# Altium PCB BeliefSat-0 2.0.PcbDoc (part 1 of 2)
Units mm, origin at the board's own origin, x right, y up, seen from the top; angles counter-clockwise.
Board outline 100 x 100 mm, 4 copper layers (Top Layer, GND, GND1, Bottom Layer), stack 1.64 mm thick; 59 components, 42 nets, 197 pads, 1337 vias.
Unrouted connection lines stored in the file: 39.
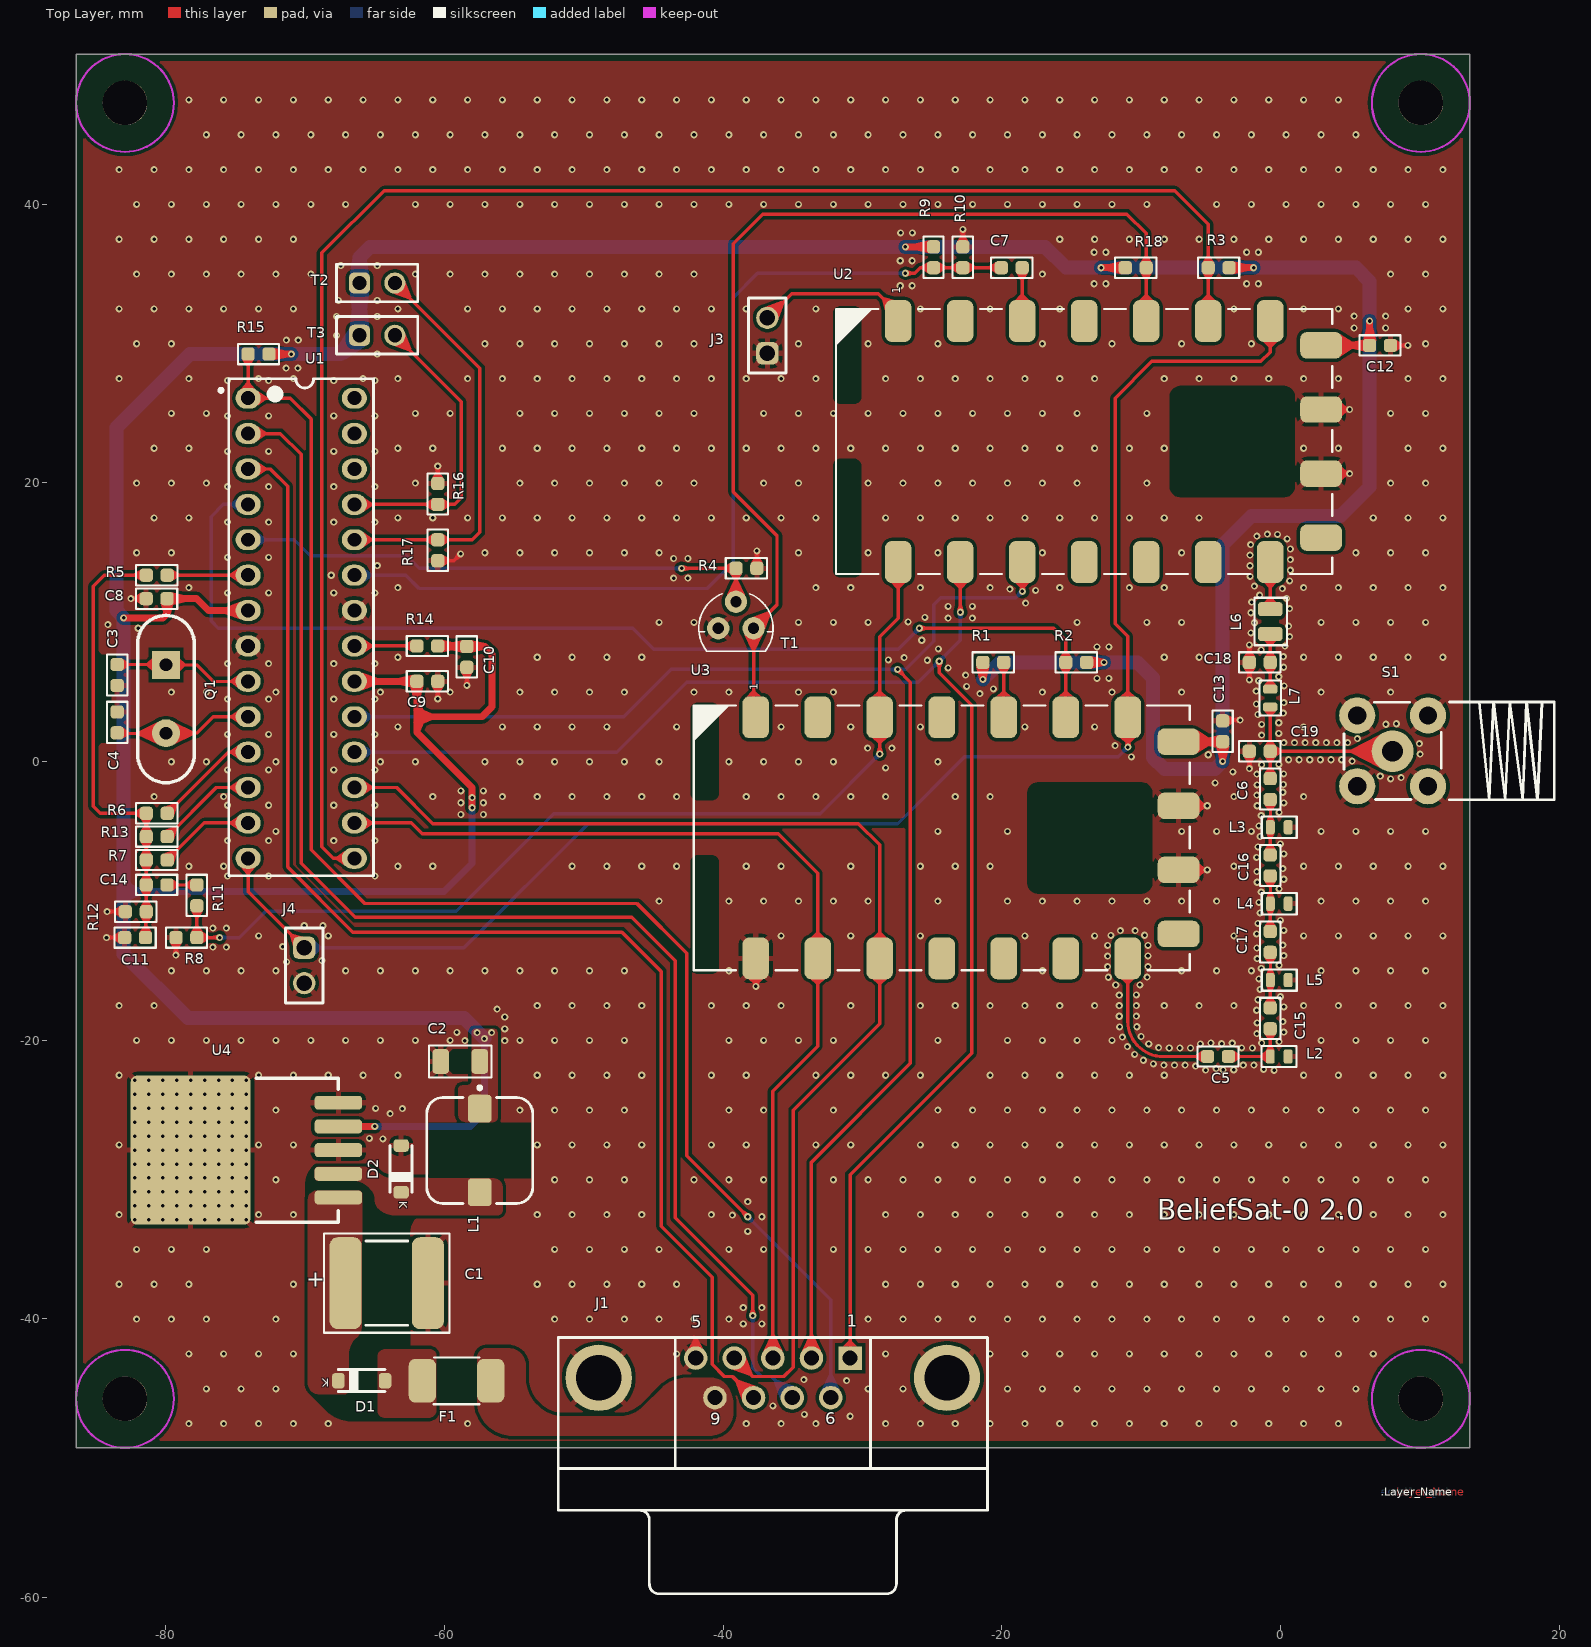
[diagram p0: Top Layer view]
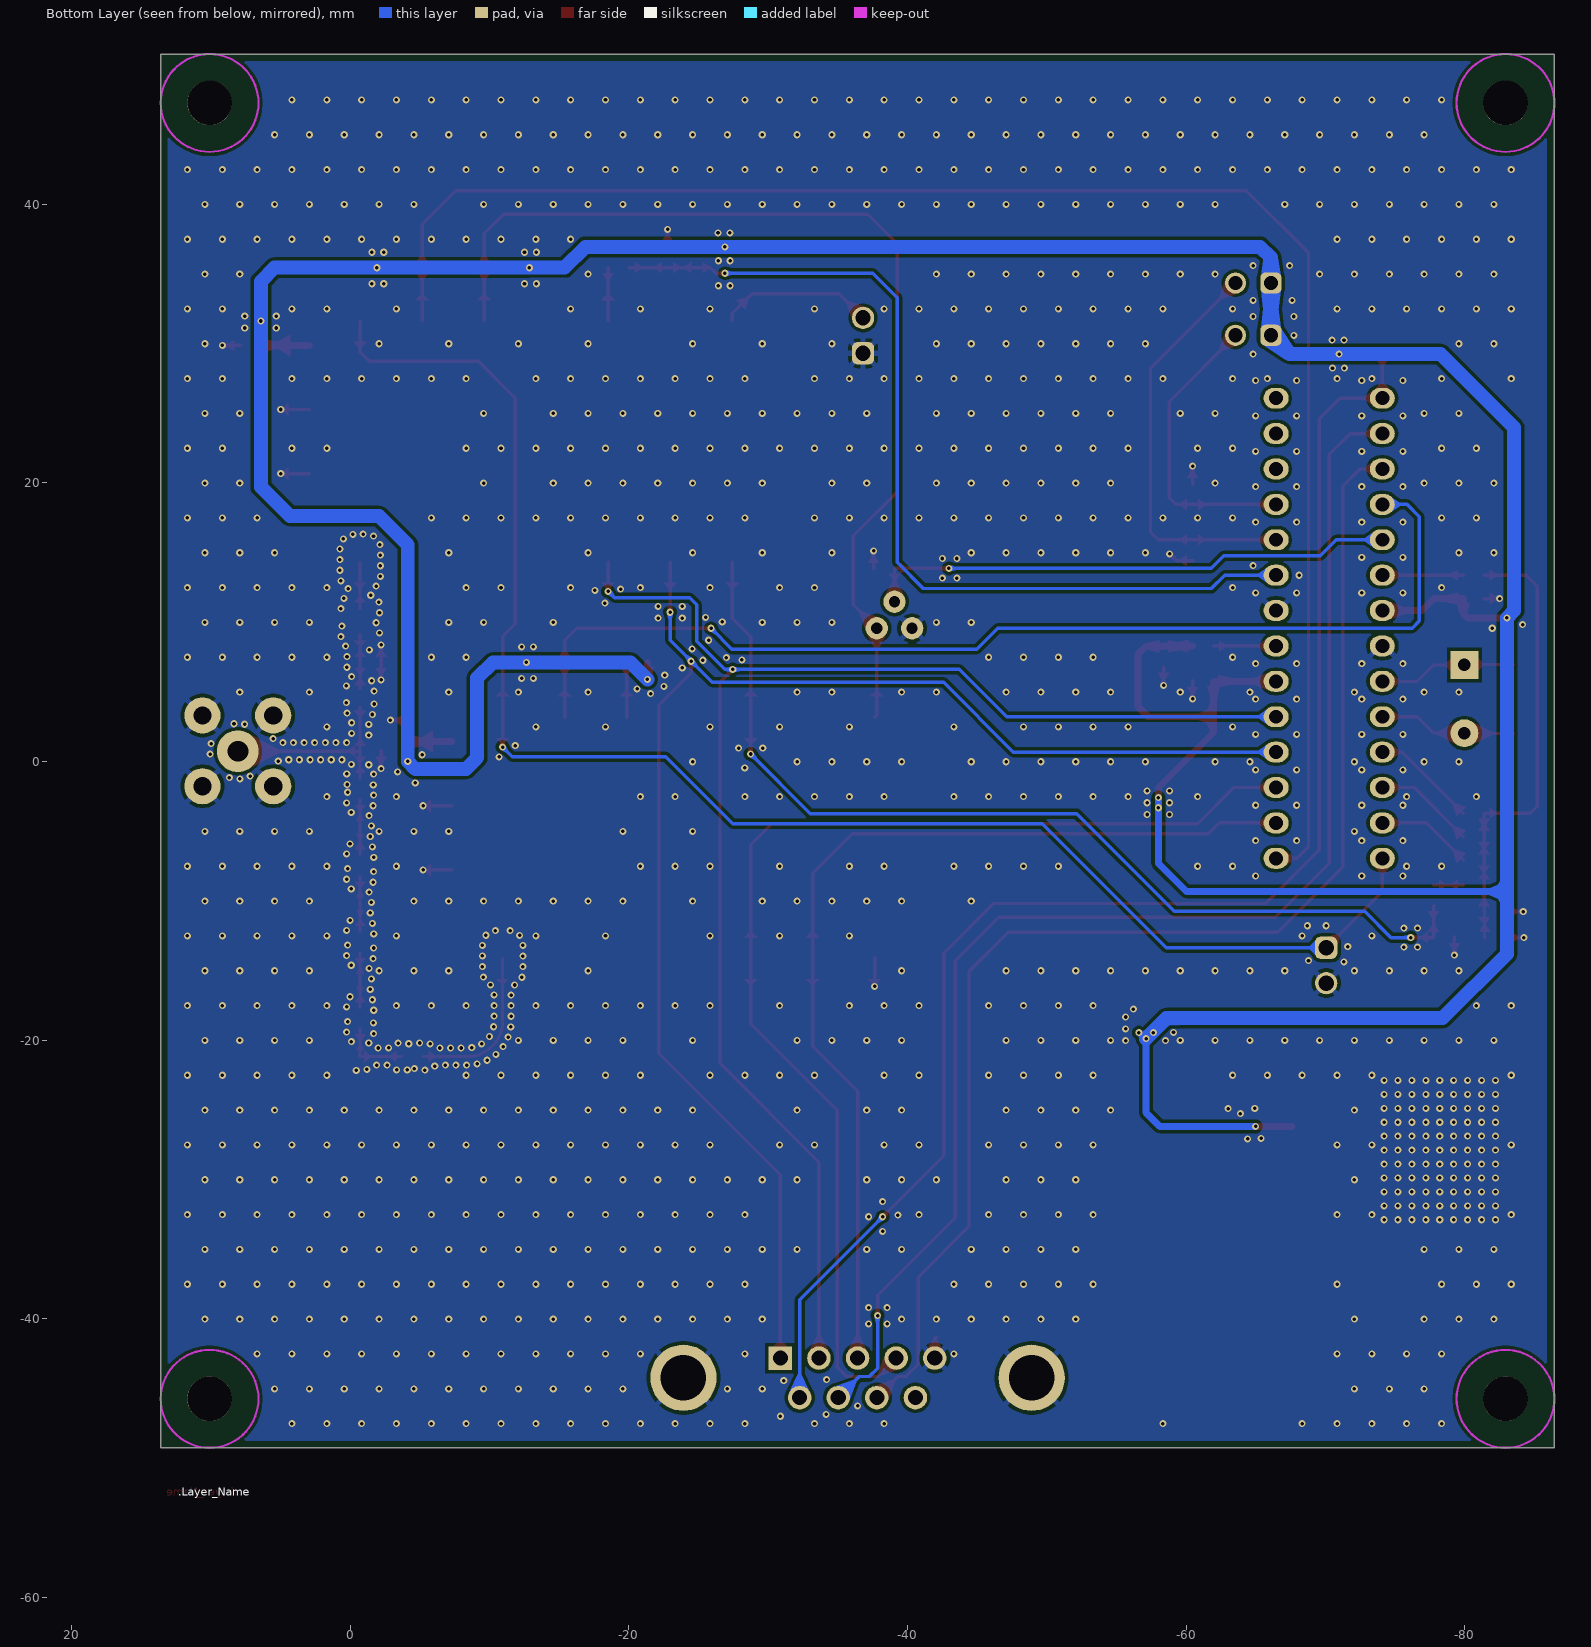
[diagram p1: Bottom Layer view, seen from below]
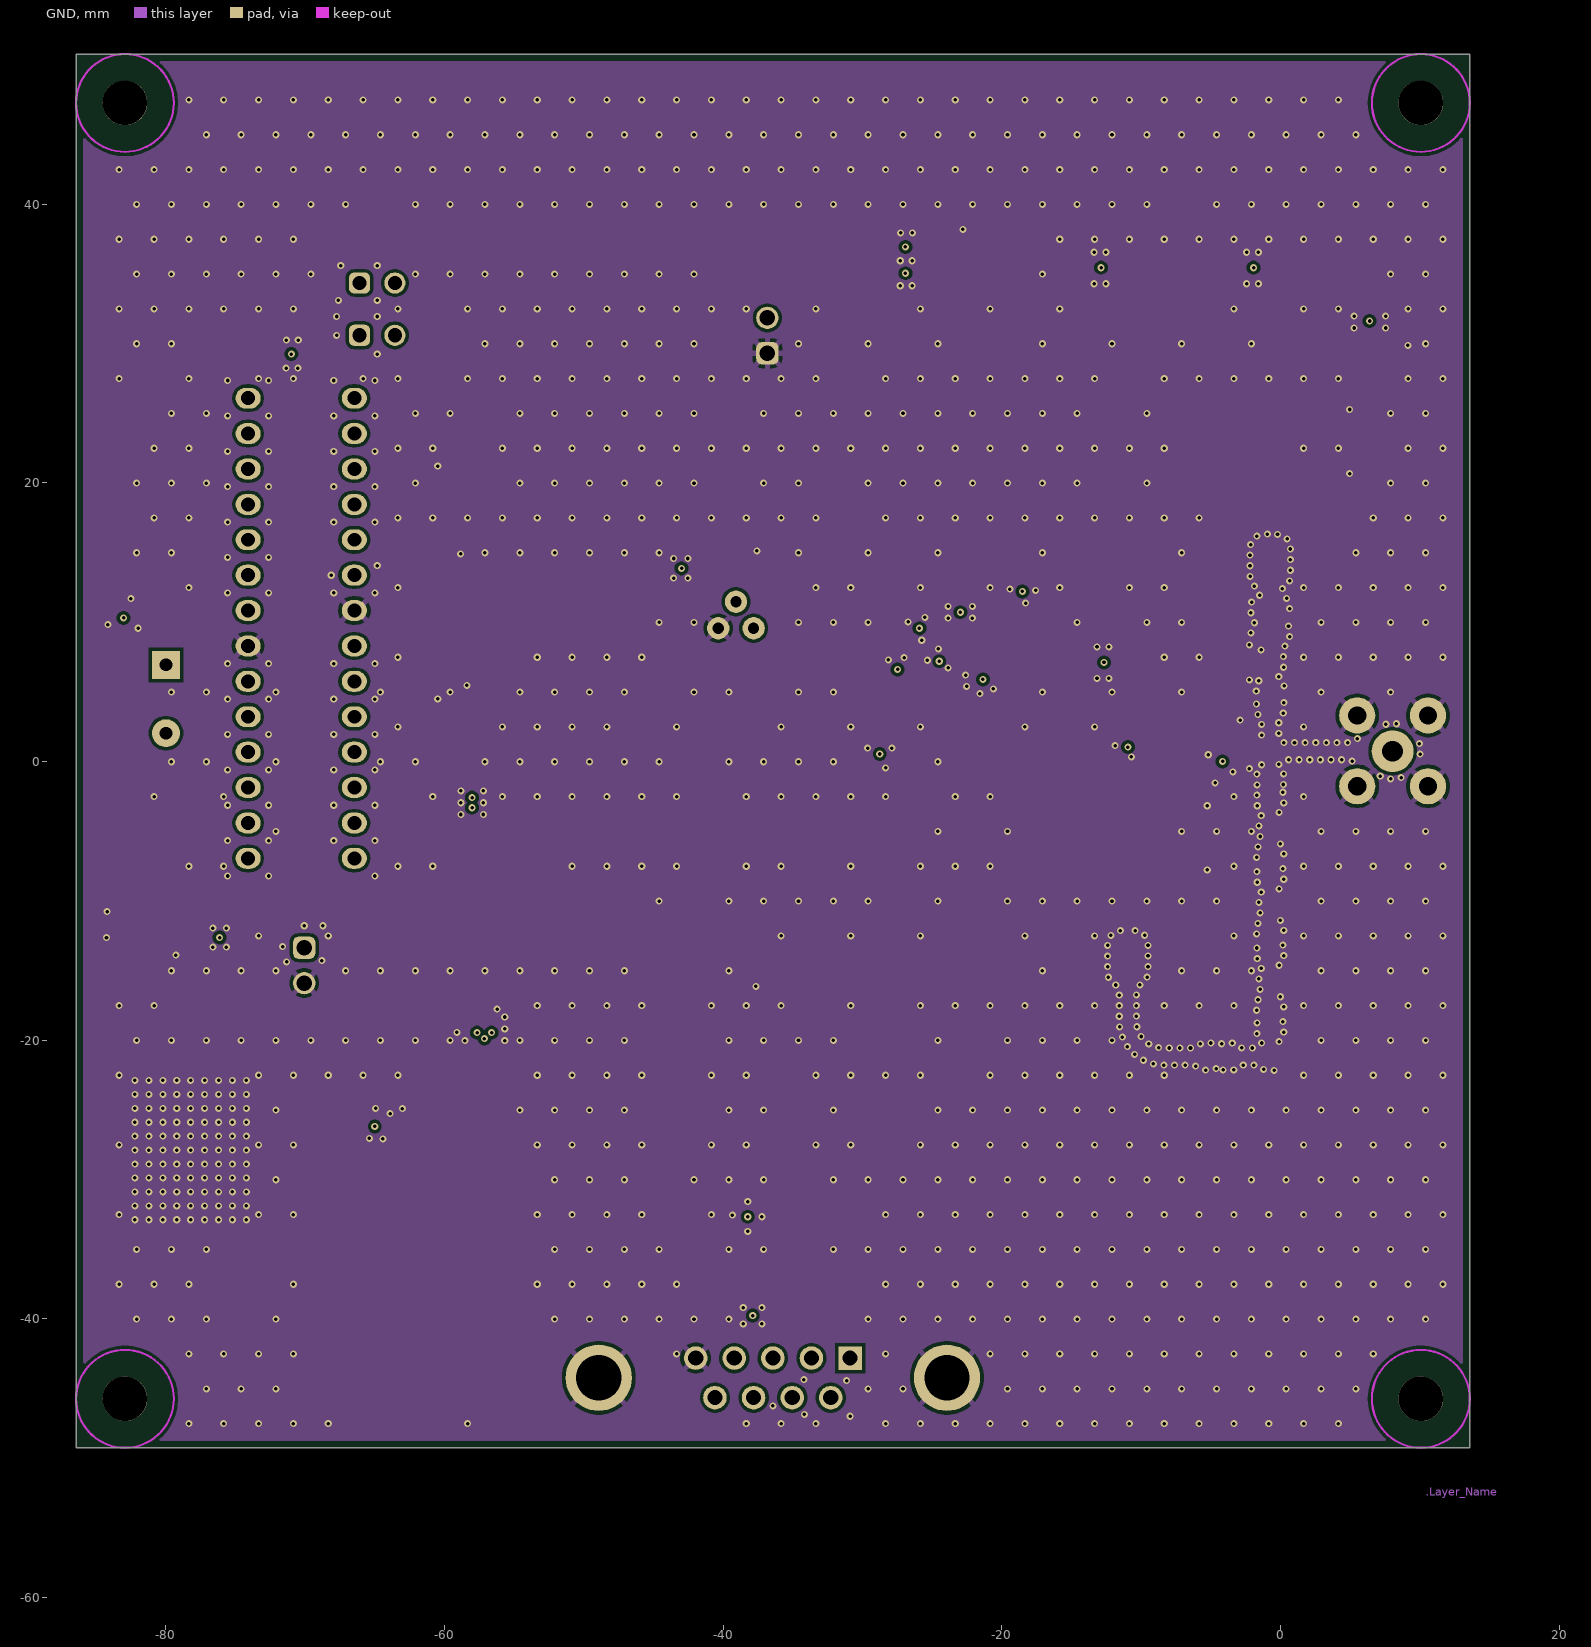
[diagram p2: GND]
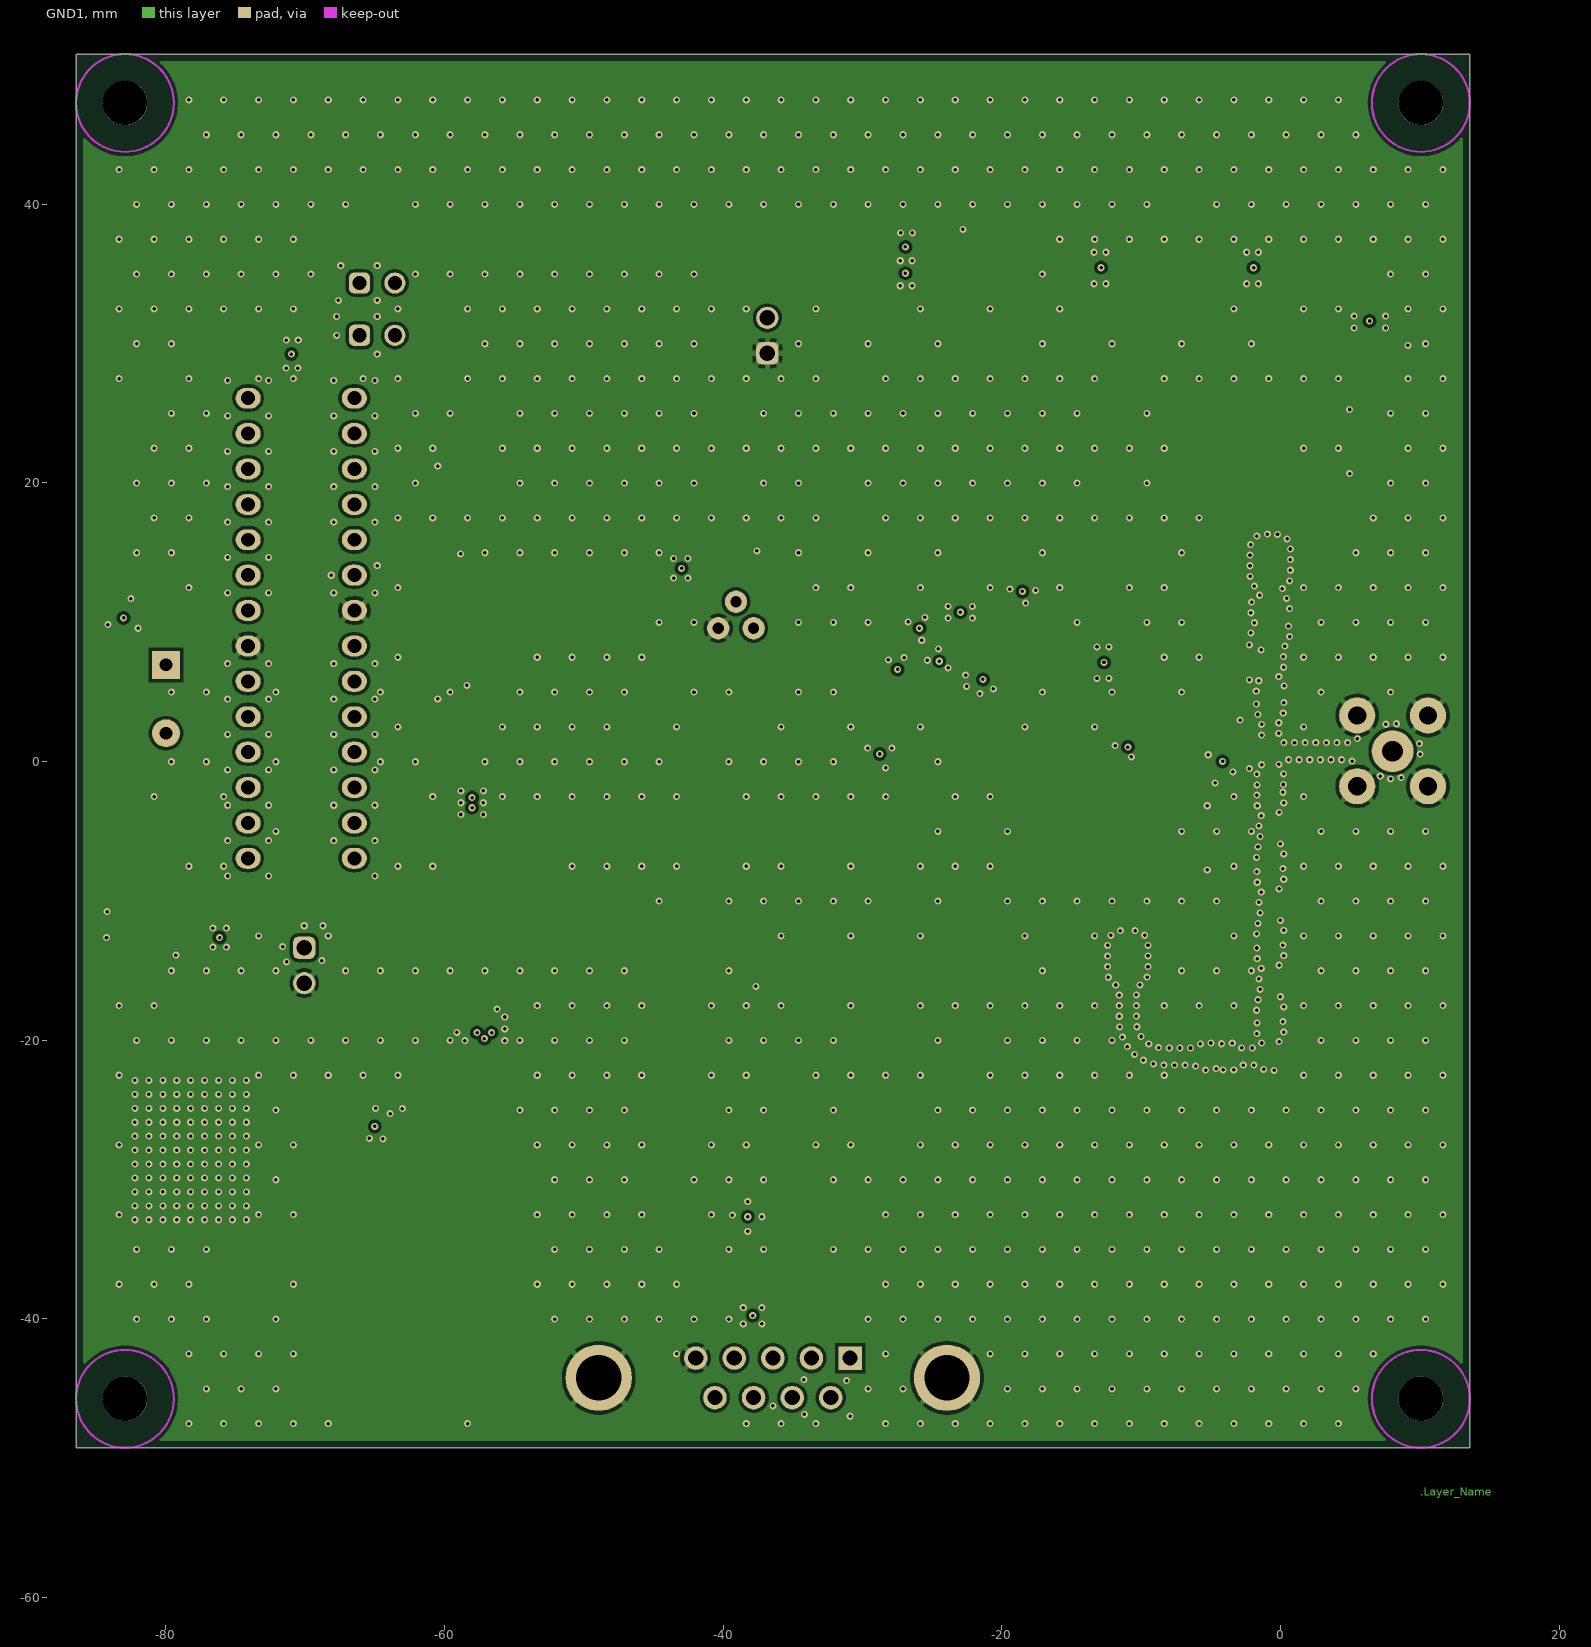
[diagram p3: GND1]
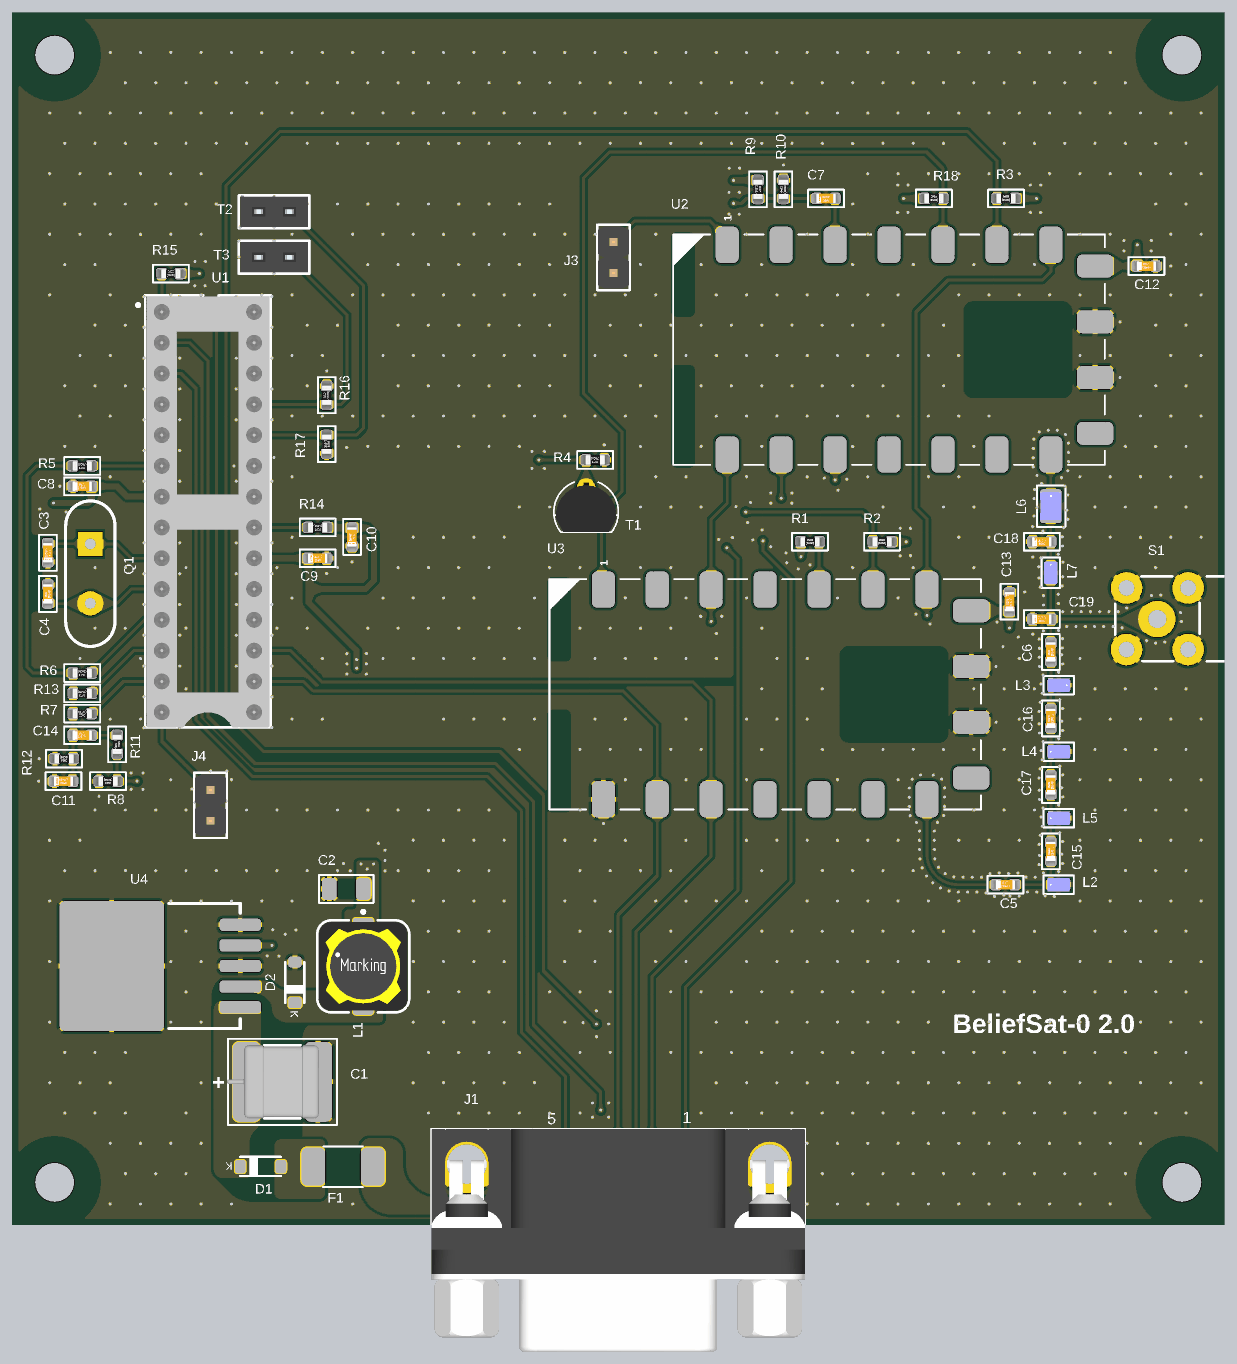
[diagram p5: 3D render of the assembled board from above, using the file's embedded part models]

## Layer stack, top to bottom
Top Solder: solder mask 0.025, Solder Resist, Dk 3.5
Top Layer: signal copper 0.035
Dielectric 2: prepreg 0.15, PP-006, Dk 4.2
GND: signal copper 0.035
Dielectric 1: core 1.2, FR-4, Dk 4.3
GND1: signal copper 0.035
Dielectric 3: prepreg 0.15, PP-006, Dk 4.2
Bottom Layer: signal copper 0.035
Bottom Solder: solder mask 0.025, Solder Resist, Dk 3.5

## Board outline
-86.422,-49.246 -86.422,50.754 13.578,50.754 13.578,-49.246
